# Altium PCB UPS.PcbDoc (part 1 of 2)
Units mm, origin at the board's own origin, x right, y up, seen from the top; angles counter-clockwise.
Board outline 100 x 65 mm, 4 copper layers (L1 (THT), L2 (MIXED), L3 (MIXED), L4 (SMD)), stack 0.568 mm thick; 149 components, 78 nets, 448 pads, 180 vias.
Unrouted connection lines stored in the file: 9.
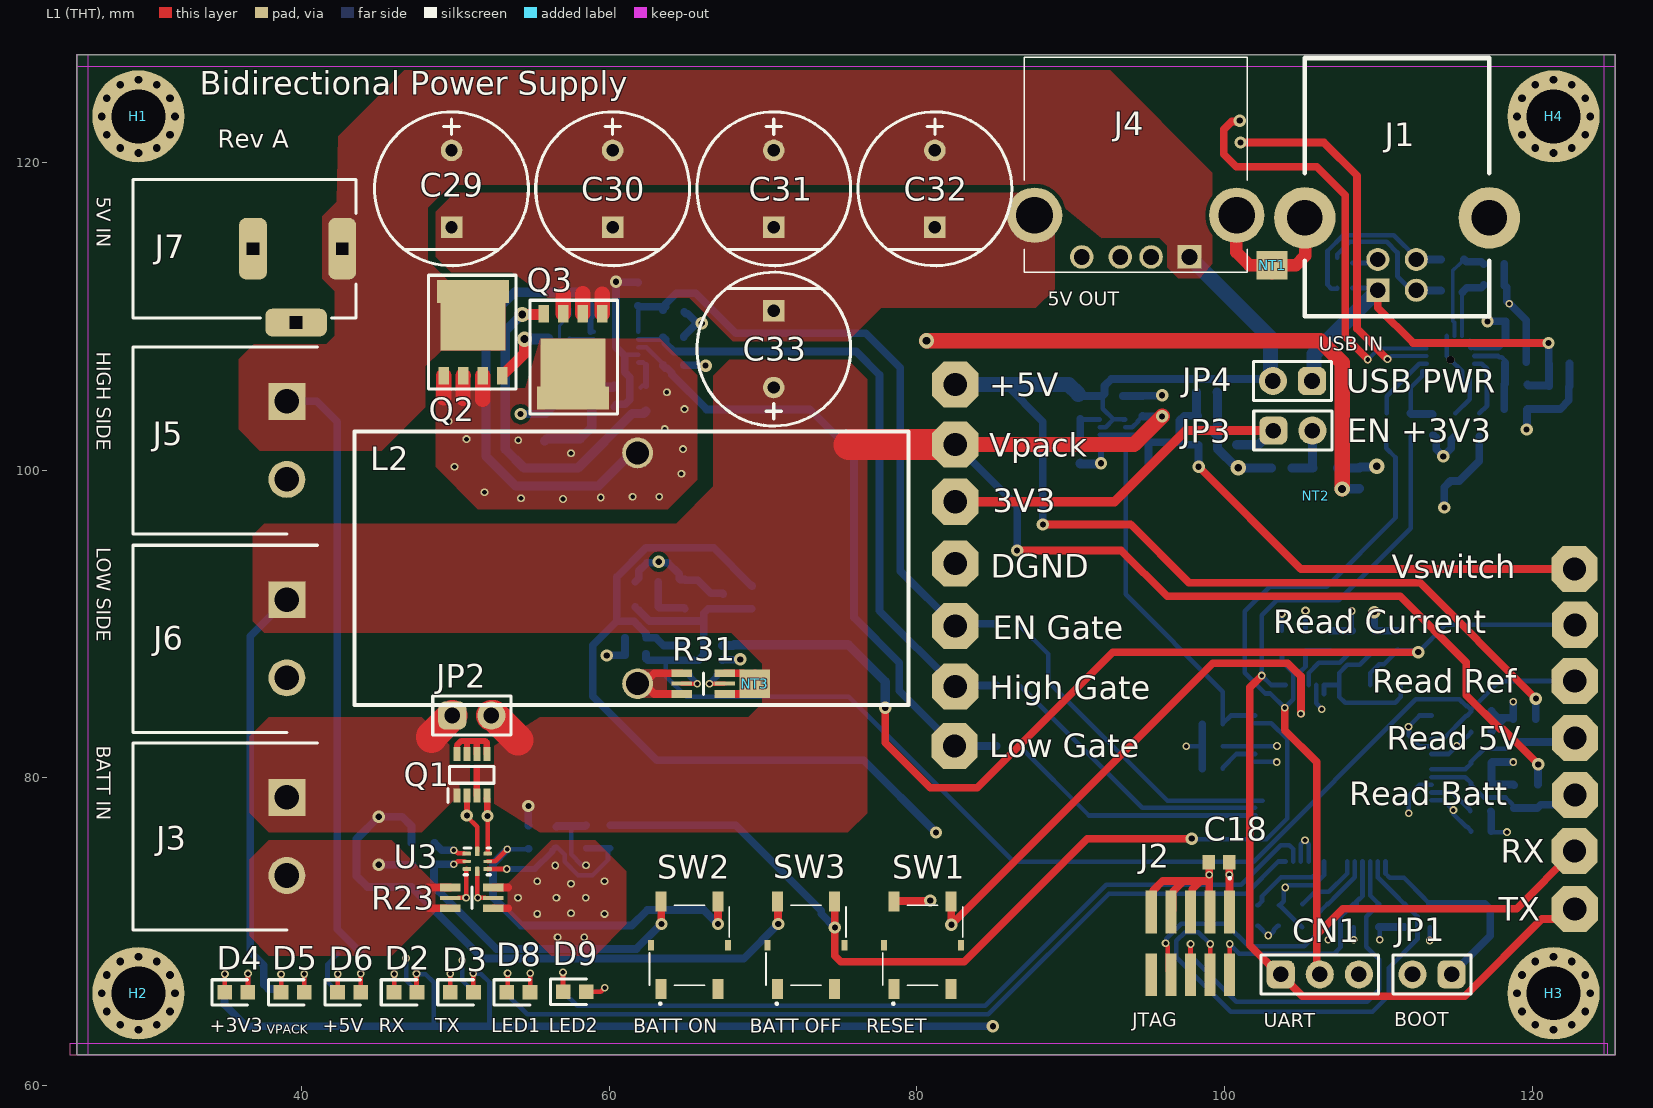
[diagram p0: L1 (THT) view]
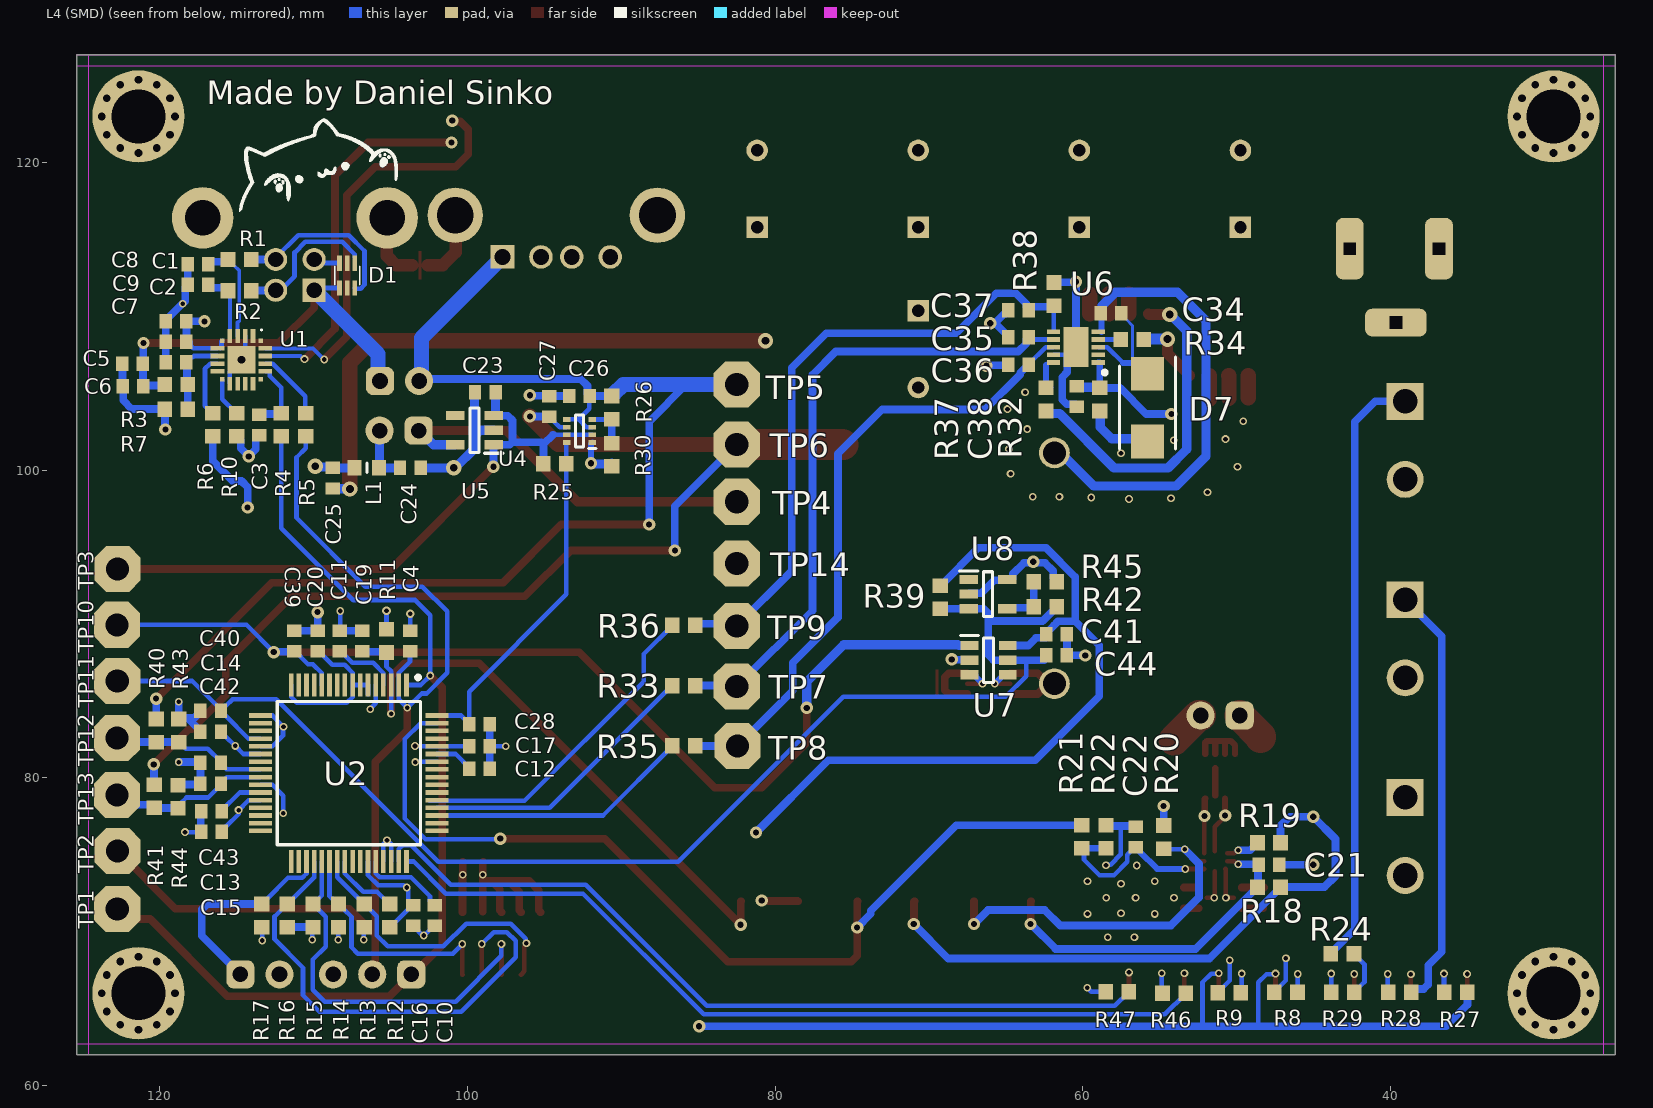
[diagram p1: L4 (SMD) view, seen from below]
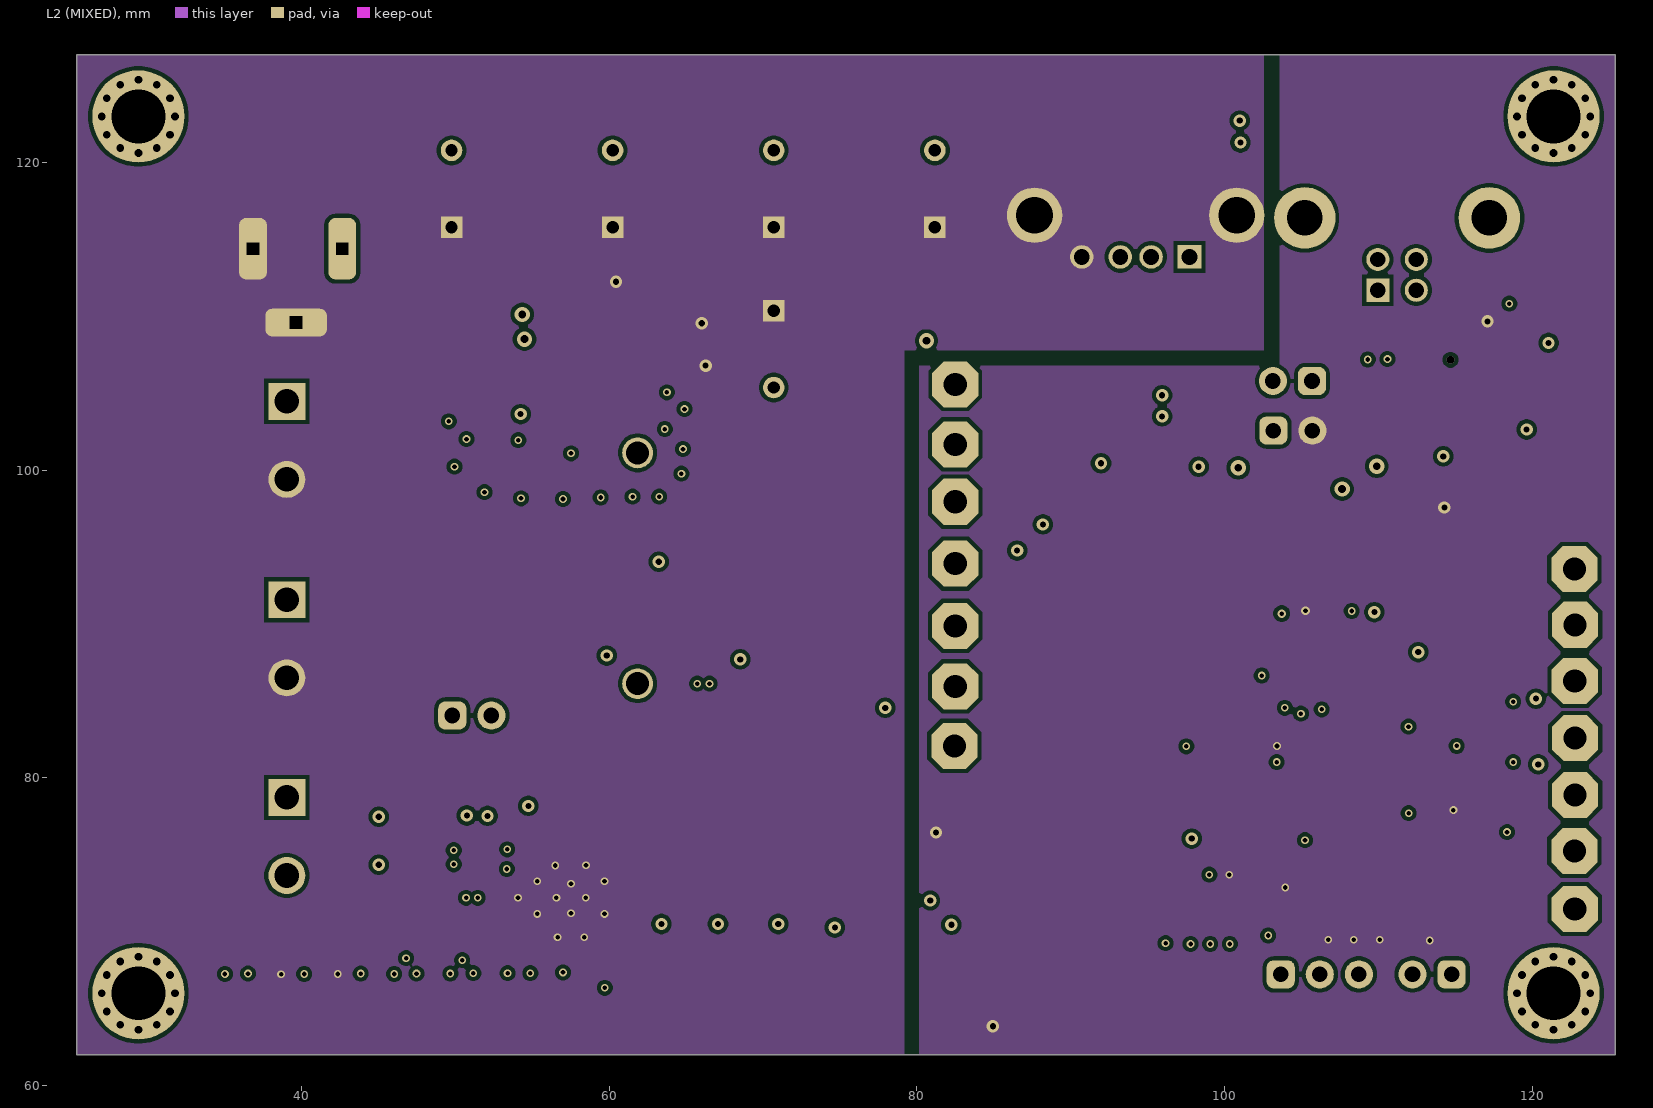
[diagram p2: L2 (MIXED)]
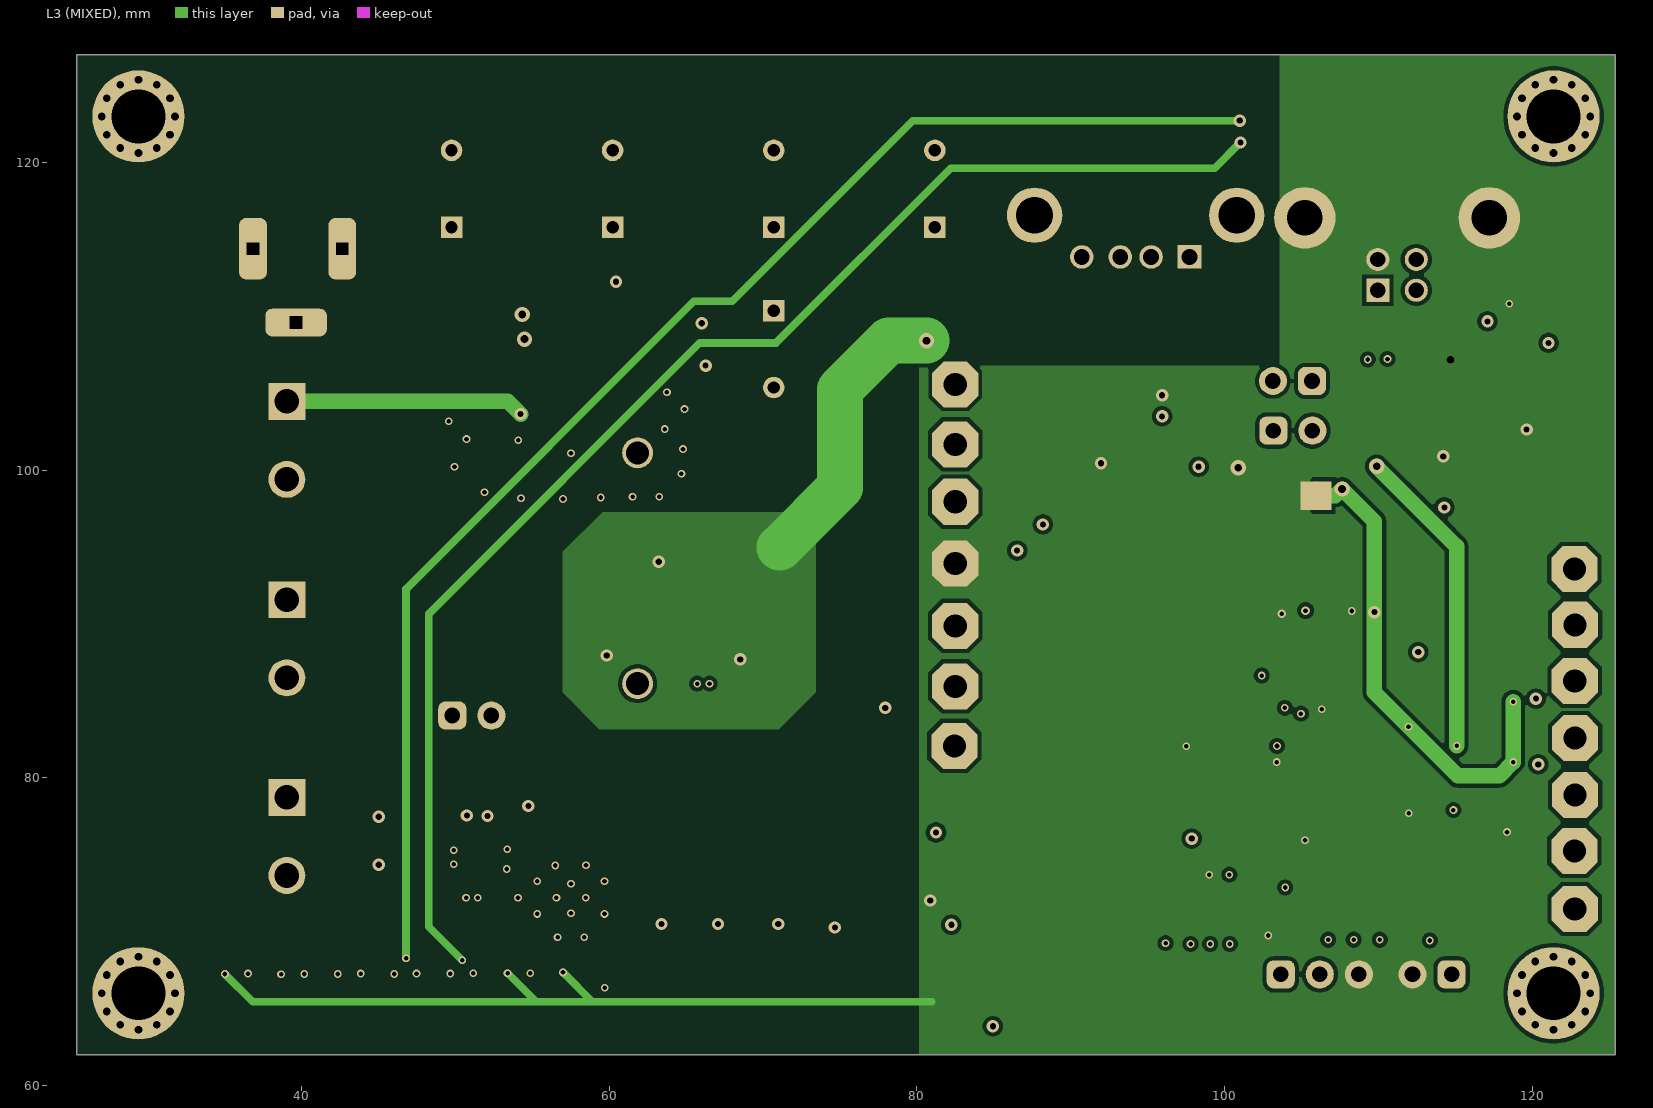
[diagram p3: L3 (MIXED)]
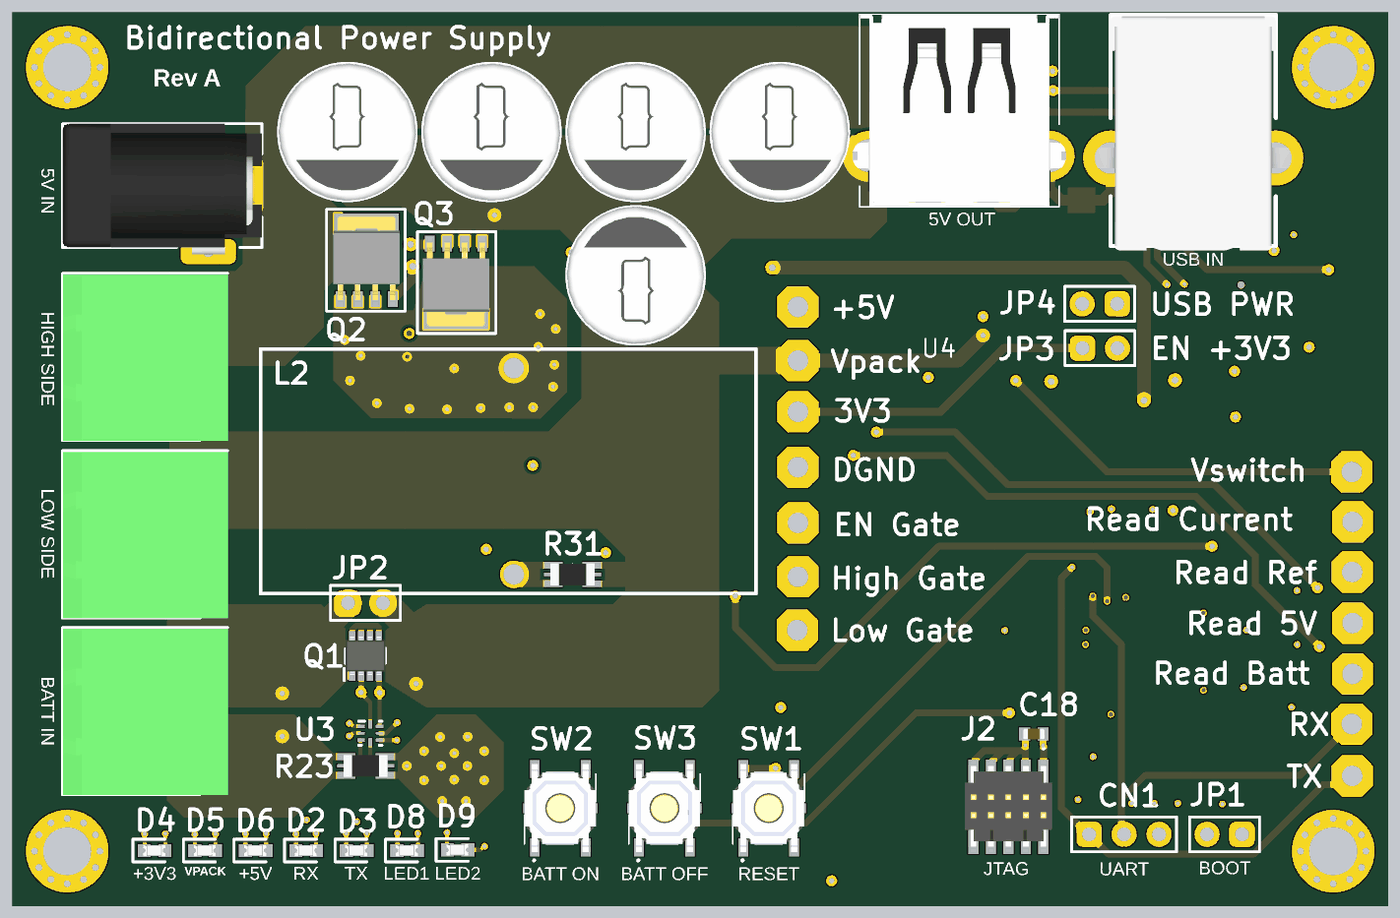
[diagram p5: 3D render of the assembled board from above, using the file's embedded part models]
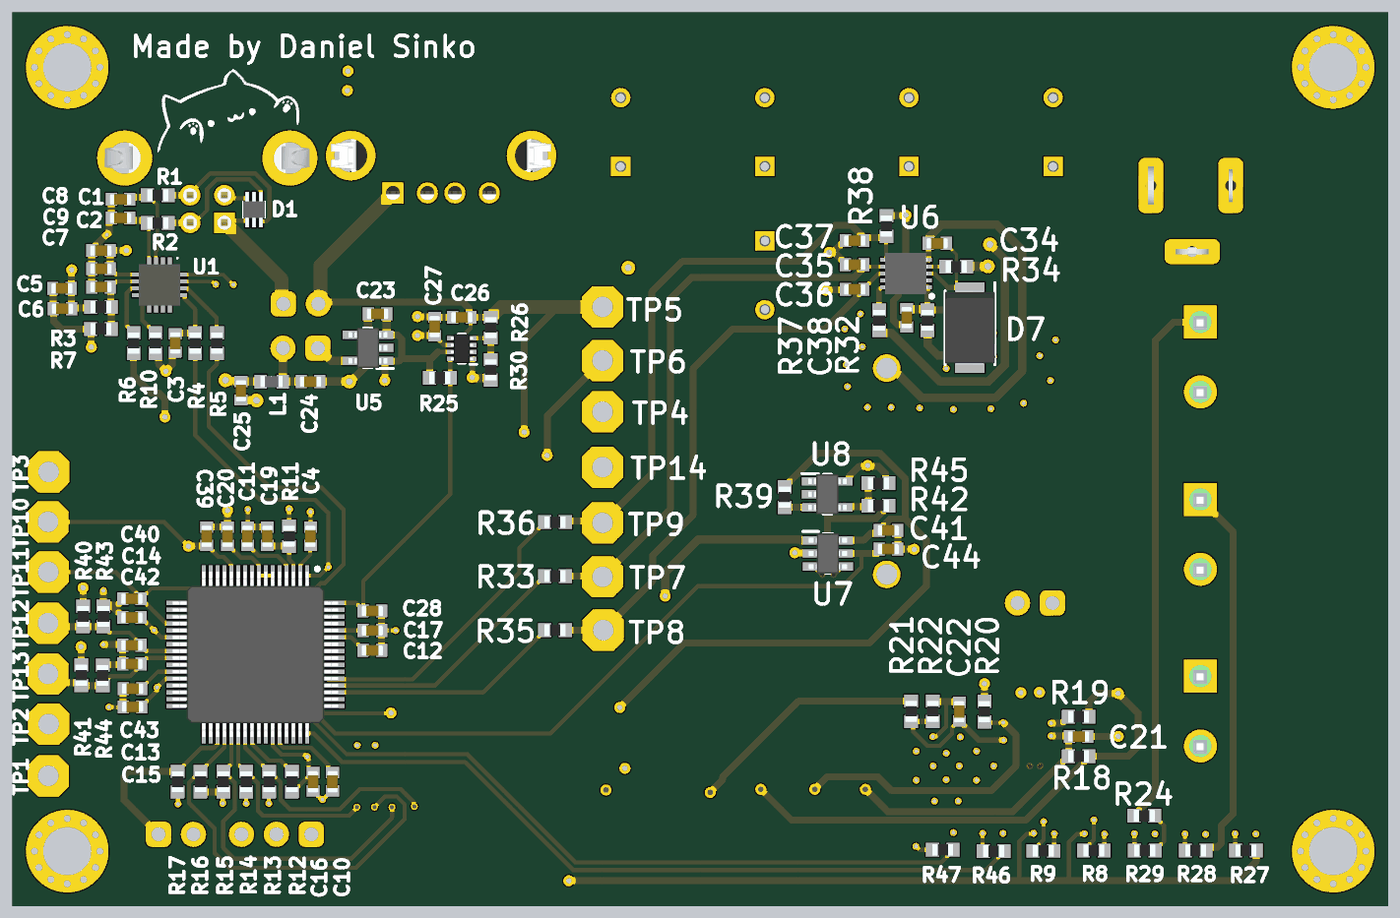
[diagram p6: 3D render of the assembled board from below, using the file's embedded part models]

## Layer stack, top to bottom
Top Solder: solder mask 0.0102, Solder Resist, Dk 3.5
L1 (THT): signal copper 0.0356
Dielectric 2: prepreg 0.0711, PP-006, Dk 4.1
L2 (MIXED): signal copper 0.0175
Dielectric 1: dielectric 0.32, FR-4, Dk 4.8
L3 (MIXED): signal copper 0.0175
Dielectric 3: prepreg 0.0711, PP-006, Dk 4.1
L4 (SMD): signal copper 0.0356
Bottom Solder: solder mask 0.0102, Solder Resist, Dk 3.5

## Board outline
25.4,62 25.4,127 125.4,127 125.4,62

## Design rules (kind name [scope] priority, off if disabled: settings)
Clearance [All] p1: gap=0.254 ignorepadtopadclearanceinfootprint=FALSE except(0.127: Arc-Arc Arc-Track Arc-SMDPad Track-Track Track-SMDPad; 0.2: SMDPad-SMDPad Text-Text Text-Hole)
Height [All] p1: minheight=0 maxheight=40 prefheight=12.7
HoleSize [All] p1: absolutevalues=TRUE maxlimit=5 minlimit=0.3 maxpercent=80.000 minpercent=20.000
MinimumSolderMaskSliver [All] p1: minsoldermaskwidth=0.15
PlaneConnect [All] p1: planeconnectstyle=Direct reliefexpansion=0.508 reliefentries=4 reliefconductorwidth=0.254 reliefairgap=0.254
PolygonConnect [All] p1: connectstyle=Direct reliefconductorwidth=0.254 reliefentries=4 polygonreliefangle="90 Angle" airgapwidth=0.127
RoutingVias [All] p1: holewidth=0.5 width=0.75 viastyle="Through Hole" minholewidth=0.3 minwidth=0.5 maxholewidth=1 maxwidth=1.5
SilkToSilkClearance [All] p1: silktosilkclearance=0.15
SilkToSolderMaskClearance [IsPad] p1: minsilkscreentomaskgap=0.15 clearancetoexposedcopper=TRUE
SolderMaskExpansion [All] p1: expansion=0.1 istentingtop=FALSE
SupplyNets "Schematic Supply Nets_13" [InNet('Vpack')] p1: voltage=0.000
SupplyNets "Schematic Supply Nets_12" [InNet('DGND')] p2: voltage=0.000
SupplyNets "Schematic Supply Nets_11" [InNet('PGND')] p3: voltage=0.000
SupplyNets "Schematic Supply Nets_10" [InNet('Vusb')] p4: voltage=0.000
SupplyNets "Schematic Supply Nets_9" [InNet('+3V3A')] p5: voltage=0.000
SupplyNets "Schematic Supply Nets_3" [InNet('+1V2')] p6: voltage=0.000
SupplyNets "Schematic Supply Nets_2" [InNet('AGND')] p7: voltage=0.000
SupplyNets "Schematic Supply Nets_8" [InNet('Vswitch')] p8: voltage=0.000
SupplyNets "Schematic Supply Nets_7" [InNet('+5V')] p9: voltage=0.000
SupplyNets "Schematic Supply Nets_6" [InNet('+3V3')] p10: voltage=0.000
SupplyNets "Schematic Supply Nets_5" [InNet('Vbatt-')] p11: voltage=0.000
SupplyNets "Schematic Supply Nets_4" [InNet('Vbatt+')] p12: voltage=0.000
UnRoutedNet [All] p1: checkbadconnections=TRUE
Width [All] p1: maxlimit=10 minlimit=0.2 preferedwidth=0.254 minimp=50.000000 maximp=50.000000 favimp=50.000000
23 further rules are at their usual default settings.

## Classes and differential pairs
component class 4: C1 C2 C3 C4 C5 C6 C7 C8 C9 D1 D2 D3 J1 JP4 R1 R2 R3 R4 R5 R6 R7 R8 R9 R10 TP1 TP2 U1
component class 3: C21 C22 C23 C24 C25 C26 C27 C28 D4 D5 D6 J3 J4 J5 J6 J7 JP2 JP3 L1 NT1 NT2 P1 P2 P3 Q1 R18 R19 R20 R21 R22 R23 R24 R25 R26 R27 R28 R29 R30 SW2 SW3 TP3 TP4 TP14 U3 U4 U5
component class 2: C10 C11 C12 C13 C14 C15 C16 C17 C18 C19 C20 CN1 D8 D9 H1 H2 H3 H4 J2 JP1 R11 R12 R13 R14 R15 R16 R17 R46 R47 SW1 U2
component class 5: C29 C30 C31 C32 C33 C34 C35 C36 C37 C38 C39 C40 C41 C42 C43 C44 D7 L2 NT3 Q2 Q3 R31 R32 R33 R34 R35 R36 R37 R38 R39 R40 R41 R42 R43 R44 R45 TP5 TP6 TP7 TP8 TP9 TP10 TP11 TP12 TP13 U6 U7 U8

## Components (designator, comment, footprint, x,y, rotation, side; value= is the part's Value field where it differs from the comment)
C1 "47pF" CAP0603 117.525,113.4 r180 bottom
C2 "47pF" CAP0603 117.525,112.05 r180 bottom
C3 "470pF" CAP0603 113.55,102.95 r90 bottom
C4 "470pF" CAP0603 103.725,88.9 r270 bottom
C5 "4.7uF" CAP0603 121.785,106.923 r180 bottom
C6 "100nF" CAP0603 121.75,105.45 r0 bottom
C7 "1uF" CAP0603 118.95,107.025 r180 bottom
C8 "4.7uF" CAP0603 118.95,109.675 r180 bottom
C9 "100nF" CAP0603 118.95,108.35 r0 bottom
C10 "4.7uF" CAP0603 102.125,71.05 r90 bottom
C11 "4.7uF" CAP0603 108.302,88.9 r270 bottom
C12 "4.7uF" CAP0603 99.225,80.6 r0 bottom
C13 "4.7uF" CAP0603 116.65,77.825 r180 bottom
C14 "4.7uF" CAP0603 116.7,82.992 r180 bottom
C15 "100nF" CAP0603 116.65,76.5 r180 bottom
C16 "100nF" CAP0603 103.536,71.05 r90 bottom
C17 "100nF" CAP0603 99.225,82.05 r0 bottom
C18 "100nF" CAP0603 99.65,74.525 r0 top
C19 "100nF" CAP0603 106.853,88.9 r90 bottom
C20 "4.7uF" CAP0603 109.75,88.9 r270 bottom
C21 "100nF" CAP0603 47.9,74.35 r0 bottom
C22 "100nF" CAP0603 56.575,76.15 r270 bottom
C23 "1uF" CAP0603 98.85,105.075 r180 bottom
C24 "1uF" CAP0603 103.725,100.15 r0 bottom
C25 "10uF" CAP0603 108.775,99.48 r90 bottom
C26 "100nF" CAP0603 92.725,104.825 r180 bottom
C27 "100nF" CAP0603 94.7,104.15 r270 bottom
C28 "100nF" CAP0603 99.225,83.475 r0 bottom
C29 "1500uF" "Aluminium Capacitor 10x12.5" 44.803,113.3 r90 top
C30 "1500uF" "Aluminium Capacitor 10x12.5" 55.275,113.3 r90 top
C31 "1500uF" "Aluminium Capacitor 10x12.5" 65.75,113.3 r90 top
C32 "1500uF" "Aluminium Capacitor 10x12.5" 76.225,113.3 r90 top
C33 "470uF" "Aluminium Capacitor 10x12.5" 75.656,112.868 r270 top
C34 "1uF" CAP0603 58.175,110.2 r180 bottom
C35 "47pF" CAP0603 64.175,108.65 r180 bottom
C36 "47pF" CAP0603 64.175,106.85 r180 bottom
C37 "47pF" CAP0603 64.175,110.4 r180 bottom
C38 "1uF" CAP0603 60.4,104.8 r90 bottom
C39 "47nF" CAP0603 111.275,88.9 r270 bottom
C40 "47nF" CAP0603 116.7,84.35 r180 bottom
C41 "100nF" CAP0603 61.725,89.325 r180 bottom
C42 "47nF" CAP0603 116.7,80.975 r180 bottom
C43 "47nF" CAP0603 116.7,79.617 r180 bottom
C44 "100nF" CAP0603 61.725,87.975 r180 bottom
CN1 "Pins 1x3" PIN-1X3 106.2,67.225 r0 top
D1 "ESDAULC6-3BP6" SOT-666 107.825,112.65 r180 bottom
D2 "Value" LED0603 46.762,66.05 r0 top
D3 "Value" LED0603 50.433,66.05 r0 top
D4 "Value" LED0603 35.75,66.05 r0 top
D5 "Value" LED0603 39.421,66.05 r0 top
D6 "Value" LED0603 43.092,66.05 r0 top
D7 "VS-MBRS130L-M3/5BT" SMB 55.8,104.075 r270 bottom
D8 "Value" LED0603 54.104,66.05 r0 top
D9 "Value" LED0603 57.775,66.1 r0 top
H1 "Mounting_Hole_0" MOUNTING_HOLE_M3#1 29.4,123 r0 top
H2 "Mounting_Hole_0" MOUNTING_HOLE_M3#2 29.4,66 r0 top
H3 "Mounting_Hole_0" MOUNTING_HOLE_M3#3 121.4,66 r0 top
H4 "Mounting_Hole_0" MOUNTING_HOLE_M3#4 121.4,123 r0 top
J1 "USB-B" USB-B-FEMALE 111.225,111.7 r180 top
J2 "FTSH-105-01-L-DV-K" CON-2x5-1.27 97.795,71.27 r180 top
J3 "691313510002" WR-TBL-5.08/2-M 39.05,73.65 r90 top
J4 "USB-A" USB-A-FEMALE 97.73,113.865 r180 top
J5 "691313510002" WR-TBL-5.08/2-M 39.05,99.4 r90 top
J6 "691313510002" WR-TBL-5.08/2-M 39.05,86.5 r90 top
J7 "DC Power Jack" "DC Power Jack Right Angled" 36.3,114.4 r270 top
JP1 "Jumper" PIN-1X2 113.5,67.225 r180 top
JP2 "Jumper" PIN-1X2 51.075,84.05 r0 top
JP3 "Jumper" PIN-1X2 104.45,102.575 r0 top
JP4 "Jumper" PIN-1X2 104.425,105.8 r180 top